# Altium PCB Thermostat_8CH.PCBDOC (part 7 of 10) (continued)
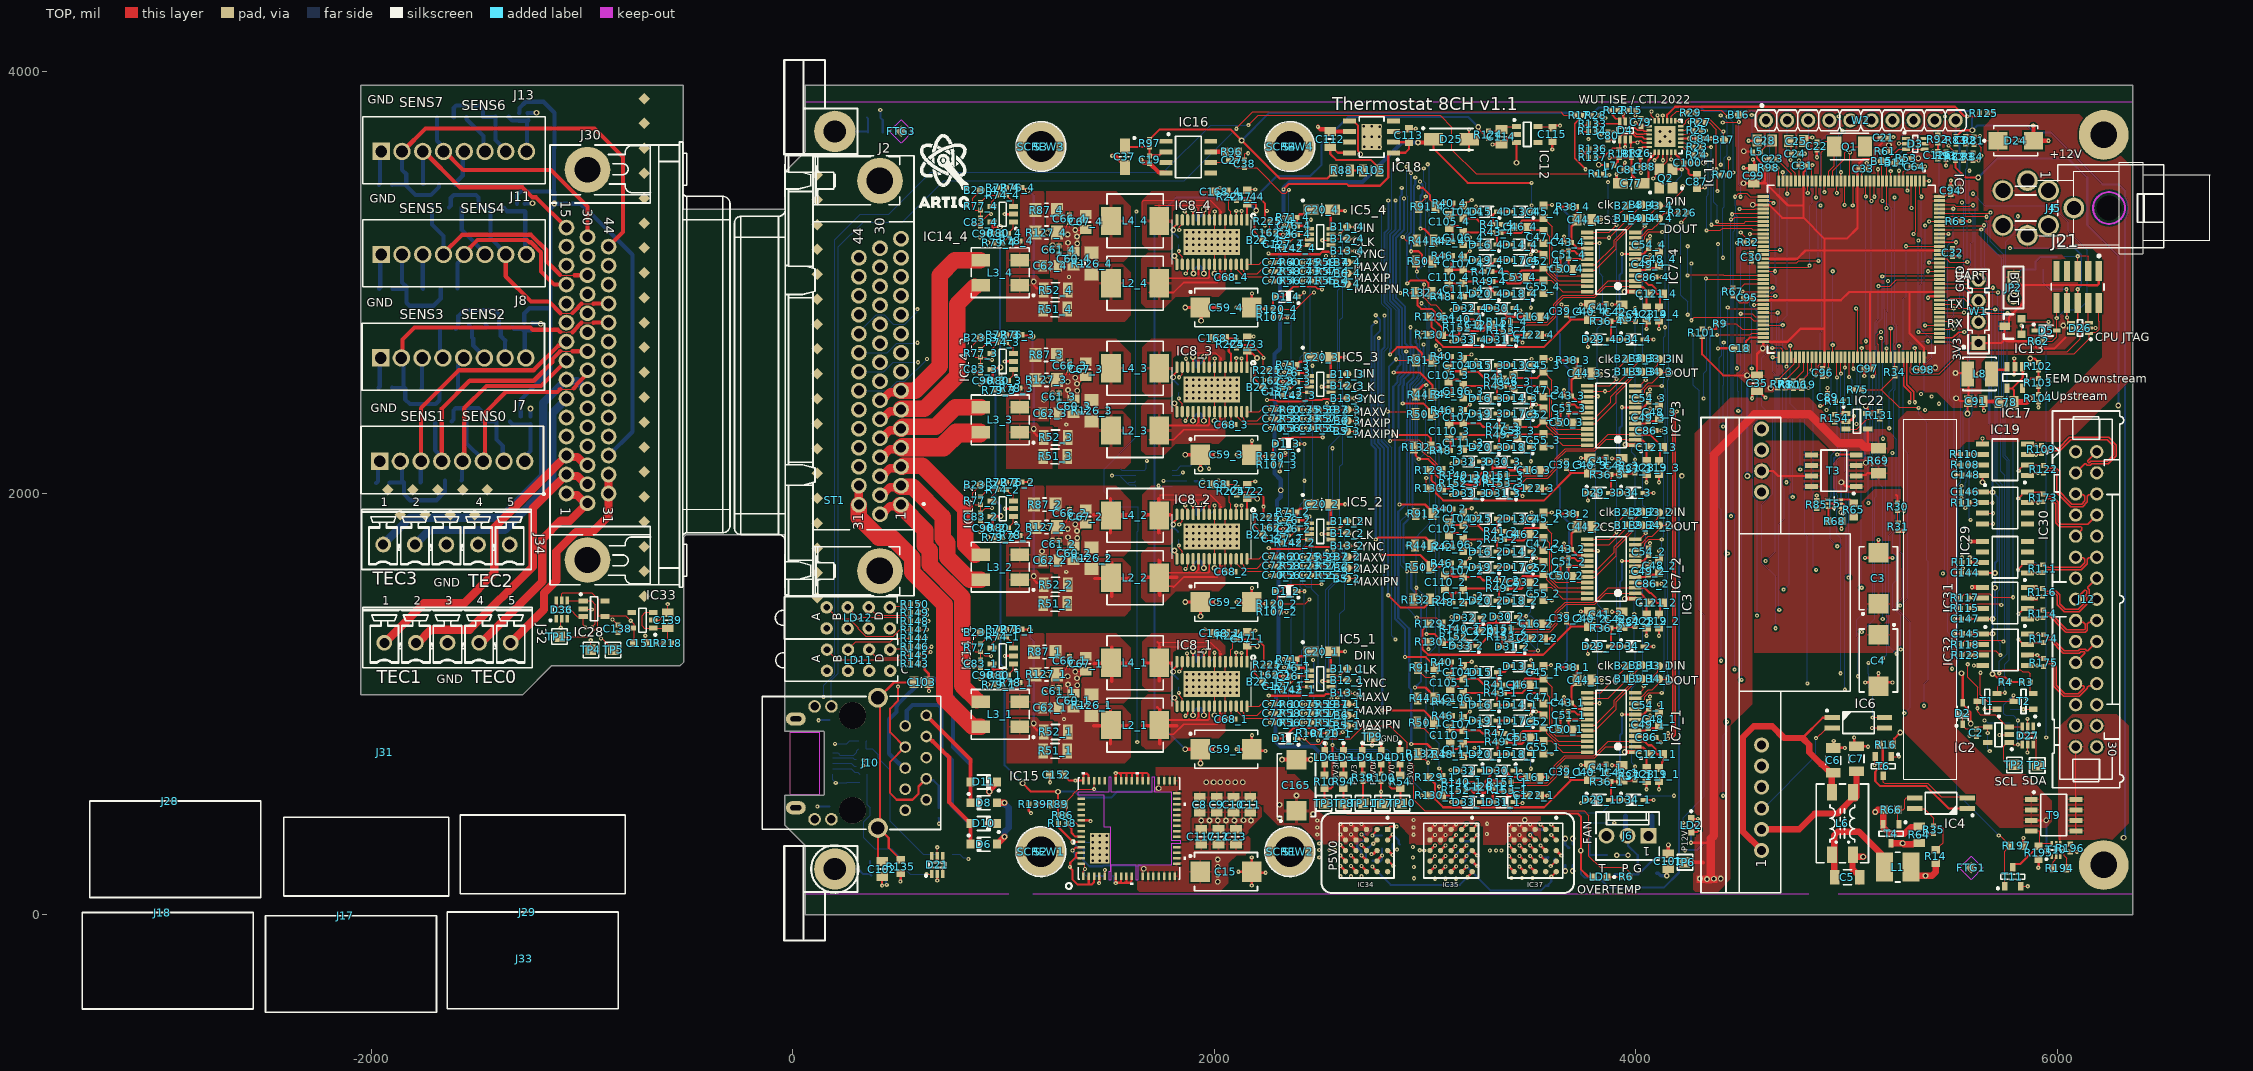
[diagram p0: TOP view]
## Nets (pads, with @x,y where several pads share a name; then routed paths per layer and width w, separated by ;. In a path a pad name is that pad's centre, name@x,y a point inside that pad or via, vN(x,y) a via of type N, cw(c..) or ccw(c..) an arc to the next point about the centre after c; other vN are vias at no path point) (continued)
NetIC34_A1: IC34.A1 IC35.A1 IC37.A1 | length 944.7
  TOP w10: IC34.A1@2822.11,407.07 2824.63,407.07 2829.91,412.35 2829.91,413.09 2835.77,418.95 v1(2864.66,418.95) ; IC35.A1@3223.25,404.71 v1@3244.09,425.66 ; v1@3244.09,425.55 v1@3244.09,425.66 ; v1@3244.09,431.59 v1@3244.09,425.66 ; v1(3247.15,428.74) v1@3244.09,425.66 ; v1(3598.32,428.45) IC37.A1@3622.36,404.55
  L2 w5: v1(2864.66,418.95) 2914.7,469 2954.47,469 2968.08,455.39 3220.5,455.39 v1(3247.15,428.74) 3271.44,453.03 3344.81,453.03 3386.73,411.11 3505.51,411.11 3543.69,449.29 3577.48,449.29 v1(3598.32,428.45)
NetIC34_A4: IC34.A4 R219.2 | length 74
  TOP w10: IC34.A4@2824.63,256.06 v1@2845.59,235.22 ; v1@2845.47,235.22 v1@2845.59,235.22 ; v1(2848.67,232.16) v1@2845.59,235.22 ; v1@2851.51,235.22 v1@2845.59,235.22
  BOT w10: R219.2@2823.82,253.4 2823.82,252.61 2830.24,246.2 2834.63,246.2 v1(2848.67,232.16)
NetIC34_B1: IC34.B1 IC35.B1 IC37.B1 R222.2 | length 1008.1
  TOP w10: v1(2749.68,376.17) 2749.68,377.9 2771.97,400.19 IC34.B1@2771.97,408.45 ; IC35.B1@3173.25,404.71 v1@3194.09,425.66 ; v1@3194.09,425.55 v1@3194.09,425.66 ; v1@3194.09,431.59 v1@3194.09,425.66 ; v1(3197.15,428.74) v1@3194.09,425.66 ; v1(3548.32,428.45) IC37.B1@3572.36,404.55
  L2 w5: v1(2749.68,376.17) 2749.68,376.41 2771.71,398.44 2853.2,398.44 2854.56,397.08 3165.49,397.08 v1(3197.15,428.74) 3214.78,411.11 3327.37,411.11 3339.76,398.72 3518.59,398.72 v1(3548.32,428.45)
  BOT w10: v1(2749.68,376.17) R222.2@2796.01,376.17
NetIC34_B2: IC34.B2 R227.1 R228.2 | length 121
  TOP w10: v1@2755.04,339.11 2755.86,339.11 2770.86,354.11 IC34.B2@2770.86,354.93
  BOT w10: R228.2@2718.95,257.35 2718.95,301.16 2719.18,301.39 2719.18,307.02 2725.6,313.43 R227.1@2726.39,313.43 ; R227.1@2725.78,316.76 2728.87,319.85 2735.78,319.85 v1@2755.04,339.11
  other v1: 2754.06,337.15
NetIC34_C4: IC34.C4 IC34.E4 R227.2 | length 302.1
  TOP w10: v1(2598.08,280.97) IC34.E4@2622.11,257.07 ; v1(2698.08,280.97) IC34.C4@2722.11,257.07
  L2 w10: v1(2598.08,280.97) 2617.92,300.81 2678.24,300.81 v1(2698.08,280.97)
  BOT w11.81: v1(2698.08,280.97) 2698.08,301.62 2677.33,322.37 2677.33,339.56 2689.49,351.71 2721.18,351.71 R227.2@2722.45,350.44
NetIC35_A4: IC35.A4 R221.2 | length 63.4
  TOP w10: IC35.A4@3223.25,254.71 v1@3244.21,233.86
  BOT w10: R221.2@3222.29,250.99 3222.29,250.2 3228.71,243.78 3229.5,243.78 3240.62,232.66 3245.43,232.66 v1(3247.28,230.81)
NetIC35_B2: IC35.B2 R229.1 R230.2 | length 114.8
  TOP w10: IC35.B2@3173.25,354.71 v1@3194.09,375.66
  BOT w10: R229.1@3171.15,346.51 3173.22,348.58 3205.37,348.58 3205.61,348.34 3225.86,348.34 R230.2@3226.96,347.24 ; 3177.42,358.9 3197.15,378.63 v1(3197.15,378.74)
NetIC35_C4: IC35.C4 IC35.E4 R229.2 | length 238.6
  TOP w10: IC35.E4@3023.25,254.71 v1@3044.09,275.66 ; v1@3044.09,275.55 v1@3044.09,275.66 ; v1@3044.09,281.59 v1@3044.09,275.66 ; v1(3047.15,278.74) v1@3044.09,275.66 ; IC35.C4@3123.25,254.71 v1@3144.09,275.66 ; v1@3144.09,275.55 v1@3144.09,275.66 ; v1@3144.09,281.59 v1@3144.09,275.66 ; v1(3147.15,278.74) v1@3144.09,275.66
  L2 w10: v1(3047.15,278.74) 3066.99,298.58 3129.22,298.58 3147.15,280.65 v1(3147.15,278.74)
  BOT w10: v1(3147.15,278.74) 3149,280.59 3149,288.14 3170.36,309.5 R229.2@3171.15,309.5
NetIC37_A4: IC37.A4 R231.2 | length 78.5
  TOP w10: v1(3595.94,230.52) IC37.A4@3619.84,254.55
  BOT w10: v1(3595.94,230.52) 3612.01,246.58 3612.01,261.51 R231.2@3616.96,266.46
NetIC37_C4: IC37.C4 IC37.E4 | length 186.3
  TOP w10: v1(3398.32,278.45) IC37.E4@3422.36,254.55 ; v1(3498.32,278.45) IC37.C4@3522.36,254.55
  L2 w10: v1(3398.32,278.45) 3420.68,300.81 3475.97,300.81 v1(3498.32,278.45)
NetJ6_3: J6.3 R9.2 R101.2 | length 3054.2
  TOP w10: R101.2@4314.87,2779.55 4315.33,2780.01 4347.33,2780.01 v1(4350,2782.68) ; v1@4350,2780.47 4382.5,2780.47 R9.2@4382.5,2805
  L2 w10: J6.3@3860.73,374.68 3920.45,314.96 4074.59,314.96 4084.31,305.24 4232.96,305.24 v1(4233.58,305.86)
  BOT w10: v1(4233.58,305.86) 4234.68,306.95 4290.33,306.95 4351.54,368.16 4351.54,2781.14 v1(4350,2782.68)
NetJ10_L1: J10.L1 R17.2 | length 5970.9
  TOP w5: v1(2104.39,3729.72) 2104.39,3732.84 2181.1,3809.55 3643.27,3809.55 3658.58,3794.24 R17.2@3713.55,3794.24
  BOT w5: J10.L1@182.65,988.58 188.98,994.91 182.65,1001.24 182.65,1112.47 215.95,1145.77 215.95,3169.69 333.66,3287.4 518.7,3287.4 714.65,3483.35 1858.02,3483.35 v1(2104.39,3729.72)
NetJ10_L3: J10.L3 R11.2 | length 6819.9
  TOP w5: v1(2161.34,3747.06) 2207.74,3793.46 3071.61,3793.46 3127.48,3737.59 3127.48,3630.28 3242.01,3515.75 R11.2@3808.27,3515.75
  L2 w5: v1(145.67,1033.46) 145.23,1033.02 145.23,914.73 182.65,877.31 J10.L3@182.65,453.15
  BOT w5: v1(145.67,1033.46) 145.67,1089.64 198.41,1142.38 198.41,3203.34 319.68,3324.6 454.52,3324.6 653.54,3523.62 1758.52,3523.62 1981.96,3747.06 v1(2161.34,3747.06)
NetLD1_1: LD1.1 R6.1 | length 72.4
  TOP w5: LD1.1@3862.91,179.27 R6.1@3935.28,179.27
NetLD2_2: LD2.2 R90.1 | length 89.3
  TOP w10: LD2.2@4262.67,391.84 4290.33,391.84 4302.57,404.08 v1(4302.49,404.08)
  BOT w10: R90.1@4262.8,415.16 4291.42,415.16 v1(4302.49,404.08)
NetLD3_2: LD3.2 R94.2 | length 52.2
  TOP w10: R94.2@2612.2,662.85 2612.5,663.15 LD3.2@2612.5,714.91
NetLD4_2: LD4.2 R100.2 | length 45.8
  TOP w10: LD4.2@2791.3,714.91 2791.3,669.29 R100.2@2791.44,669.15
NetLD6_2: LD6.2 R10.2 | length 52.2
  TOP w10: R10.2@2522.8,662.85 2523.1,663.15 LD6.2@2523.1,714.91
NetLD9_2: LD9.2 R39.2 | length 47.1
  TOP w10: LD9.2@2701.9,714.91 2701.9,672.34 R39.2@2705.08,669.15
NetLD10_2: LD10.2 R54.2 | length 52.7
  TOP w10: LD10.2@2880.7,714.91 2880.7,664.48 R54.2@2882.32,662.85
NetLD11_2: LD11.2 R143.2 | length 425.5
  TOP w5: LD11.2@161.39,1257.72 208.41,1210.69 539.33,1210.69 549.14,1200.88 549.93,1200.88 558.85,1191.97 R143.2@558.85,1191.18
NetLD11_4: LD11.4 R144.2 | length 320.1
  TOP w5: LD11.4@261.39,1257.72 298.41,1294.75 462.38,1294.75 480.1,1312.47 R144.2@558.85,1312.47
NetLD11_6: LD11.6 R145.2 | length 217.3
  TOP w5: LD11.6@361.39,1257.72 398.41,1220.69 497.13,1220.69 508.04,1231.61 R145.2@558.85,1231.61
NetLD11_8: LD11.8 R146.2 | length 103.1
  TOP w5: LD11.8@461.39,1257.72 466,1262.34 549.93,1262.34 R146.2@558.85,1271.25
NetLD12_2: LD12.2 R147.2 | length 471.5
  TOP w5: LD12.2@159.84,1458.72 213.83,1404.73 266.2,1404.73 309.84,1361.09 309.84,1356.36 344.51,1321.69 475.18,1321.69 506.39,1352.9 R147.2@558.85,1352.9
NetLD12_4: LD12.4 R148.2 | length 326.5
  TOP w5: LD12.4@259.84,1458.72 306.87,1411.69 540.48,1411.69 549.14,1403.04 549.93,1403.04 558.85,1394.12 R148.2@558.85,1393.33
NetLD12_6: LD12.6 R149.2 | length 219.8
  TOP w5: LD12.6@359.84,1458.72 396.87,1421.69 547.56,1421.69 558.85,1432.98 R149.2@558.85,1433.76
NetLD12_8: LD12.8 R150.2 | length 118.5
  TOP w5: LD12.8@459.84,1458.72 465.61,1464.49 531.5,1464.49 ; 531.5,1464.57 549.93,1464.57 R150.2@558.85,1473.48 ; R150.2@549.93,1464.49 558.85,1473.41 R150.2@558.85,1473.48 ; R150.2@558.85,1474.19 R150.2@558.85,1473.48
NetR1_1: R1.1 T1.1 | length 108
  TOP w5: v1(5655.01,975) T1.1@5713.58,975
  BOT w5: v1(5655.01,975) R1.1@5704.47,975
NetR2_1: R2.1 T2.1 | length 109
  TOP w5: v1(5839.31,975) T2.1@5885.32,975
  BOT w5: R2.1@5776.32,975 v1(5839.31,975)
NetR13_1: R13.1 T7.1 T8.3 | length 290.5
  BOT w10: T8.3@3899.32,192.2 4012.07,192.2 4032.41,212.55 4032.78,212.55 4038.64,218.41 4038.64,218.77 4091.63,271.76 4129.47,271.76 4141.16,260.07 4141.16,259.28 4147.58,252.86 R13.1@4148.36,252.86
NetR65_1: R65.1 T5.2 | length 94.6
  TOP w10: T5.2@4972.06,1950.79 4972.97,1949.88 4984.55,1949.88 5019.38,1915.05 5019.38,1902.49 5032.1,1889.77 R65.1@5034.07,1889.77
NetR65_2: R65.2 R85.2 T5.3 T5.5 | length 200
  TOP w10: R85.2@4858.87,1928.27 4859.66,1928.27 4882.17,1950.79 T5.5@4909.86,1950.79 4936.08,1950.79 4954.86,1969.57 4971.15,1969.57 T5.3@4972.06,1970.47 5014.39,1970.47 5032.1,1952.76 R65.2@5034.07,1952.76
NetR68_2: R68.2 T3.4 T5.6 | length 435.3
  TOP w10: T5.6@4909.86,1931.1 T5.6@4913.58,1931.1 ; R68.2@4914.48,1879.26 4914.48,1930.2 T5.6@4913.58,1931.1 ; v1(4940.94,1929.68) 4939.54,1929.68 4938.12,1931.1 T5.6@4913.58,1931.1 ; v1(4956.19,2184.27) 4957.16,2183.3 5044.91,2183.3 T3.4@5045.88,2182.33
  BOT w10: v1(4940.94,1929.68) 4940.94,2166.4 4956.19,2181.65 v1(4956.19,2184.27)
NetR88_2: R88.2 R105.1 | length 61.3
  TOP w10: R88.2@2643.37,3532 R105.1@2704.63,3532
NetR89_1: R89.1 R139.2 | length 54.6
  TOP w10: 1169.69,524.41 R89.1@1224.33,524.41
NetR103_1: R103.1 R104.2 | length 36.6
  TOP w10: R104.2@5910.44,2470.52 R103.1@5910.44,2507.13
NetR194_1: R194.1 T10.2 | length 61.9
  TOP w5: R194.1@5981.09,219.97 5981.09,251.53 5990.65,261.09 5990.65,273.06 T10.2@5994.05,276.46
NetR194_2: R194.2 R196.2 T10.3 T10.5 | length 231.4
  TOP w5: T10.5@5994.05,338.67 5994.05,313.54 5999.63,307.96 6016.74,307.96 ; T10.3@6013.74,276.46 6013.74,304.96 6016.74,307.96 ; R194.2@6044.08,219.97 6044.08,269.21 6033.85,279.44 6033.85,307.96 ; R196.2@6061.8,335.13 6061.01,335.13 6033.85,307.96 ; 6016.74,307.96 6033.85,307.96
NetR195_2: R195.2 T9.4 T10.6 T11.3 | length 332.6
  TOP w5: T9.4@5876.76,397.92 5914.79,397.92 5917.72,394.99 5917.72,331.98 5924.41,338.67 T10.6@5974.37,338.67
  TOP w10: T11.3@5788.86,225.87 5788.86,233.74 5796.65,241.54 5825.31,241.54 5909.06,325.28 R195.2@5911.02,325.28
NRST: IC9.129 IC11.15 R125.2 | length 2389.5
  TOP w5: IC9.129@5441.06,3112.93 5475.13,3112.93 5490.58,3097.48 v1(5572.86,3097.48)
  TOP w10: IC11.15@4148.41,3767.72 4148.41,3796.3 4186.46,3834.34 5515.14,3834.34 5559.28,3790.2 5571.31,3790.2 v1(5572.86,3788.65) 5617.28,3788.65 5632.23,3803.6 R125.2@5632.23,3804.39
  BOT w5: v1(5572.86,3097.48) 5572.86,3277.92 5565.52,3285.26 5565.52,3537.7 5572.86,3545.04 v1(5572.86,3788.65)
OVERTHERMn: D1_1.1 D1_2.1 D1_3.1 D1_4.1 IC1.3 IC9.127 R5.2 R6.2 | length 8669.2
  TOP w5: D1_2.1@2390.75,1535.19 v1(2426.92,1535.19) ; D1_3.1@2390.75,2234.01 v1(2426.92,2234.01) ; D1_4.1@2390.75,2932.83 2398.09,2940.17 2411.17,2940.17 2424,2953 v1(2426,2953) ; D1_1.1@2398.62,836.37 v1(2426.92,836.37) 2453.86,809.43 2499.31,809.43 2509.47,819.59 2509.47,821.92 2522.56,835.02 2646.65,835.02 2709.63,898 2831.56,898 2914.37,815.19 2914.37,737.48 2944.96,706.9 2944.96,546.43 2998.33,493.05 3754.42,493.05 3777.42,470.04 3777.42,278.29 3830.2,225.51 3948.15,225.51 3972.29,201.37 R6.2@3972.29,179.27 ; IC9.127@5441.06,3073.56 5442.9,3071.72 5535.93,3071.72 v1(5537.78,3069.88)
  L2 w5: v1(1758.86,2059.06) 1772.37,2072.56 1773.83,2074.03 1940.56,2076.63 1942.58,2076.66 1943.91,2077.99 2408.21,2077.99 v1(2426.92,2059.28) ; v1(2426,2953) 2458.21,2985.21 2582.97,2985.21 2592.3,2975.87 2717.06,2975.87 2719.1,2977.91 2983.31,2977.91 3028.4,2932.83 3970.19,2932.83 3992.2,2910.81 5535.64,2910.81 v1(5537.78,2908.68)
  BOT w5: v1(1758.86,2059.06) IC1.3@1801.18,2059.06 R5.2@1869.29,2059.06 ; v1(2426,2953) 2426,2663.03 2408.22,2645.25 2408.22,2252.7 v1(2426.92,2234.01) v1(2426.92,2059.28) 2426.92,1965.13 2408.22,1946.43 2408.22,1555.02 2426.92,1536.32 v1(2426.92,1535.19) 2426.92,1266.31 2415.22,1254.61 2415.22,849.2 2426.92,837.5 v1(2426.92,836.37) ; v1(5537.78,2908.68) v1(5537.78,3069.88)
P3V0REF: C26_1.1 C26_2.1 C26_3.1 C26_4.1 C27.2 C38.1 IC5_1.2 IC5_2.2 IC5_3.2 IC5_4.2 IC16.6 R54.1 R70.2 TP10.1 | length 6356.4
  TOP w5: IC16.6@1982.72,3570.6 2057.8,3570.6 C27.2@2066.93,3579.72 ; C27.2@2068,3575 2071.65,3575 2101.37,3545.28 C38.1@2143,3545.28 2200.09,3545.28 2320.57,3424.8 2338.35,3424.8 v1(2353.35,3439.8) ; v1(2353.35,1101.38) 2364.17,1101.38 C26_1.1@2394.68,1131.89 ; v1(2353.35,1800.2) 2364.17,1800.2 C26_2.1@2394.68,1830.71 ; v1(2353.35,2499.02) 2364.17,2499.02 C26_3.1@2394.68,2529.53 ; v1(2353.35,3197.83) 2364.17,3197.83 C26_4.1@2394.68,3228.35 ; C26_1.1@2397.44,1133.07 IC5_1.2@2450.79,1133.07 ; C26_2.1@2397.44,1831.89 IC5_2.2@2450.79,1831.89 ; C26_3.1@2397.44,2530.71 IC5_3.2@2450.79,2530.71 ; C26_4.1@2397.44,3229.53 IC5_4.2@2450.79,3229.53 ; v1(4387,3434) 4387,3500.96 R70.2@4396.87,3510.83
  TOP w10: v1(2830.24,733.22) 2830.24,610.41 2840.79,599.86 R54.1@2882.32,599.86 2882.32,537.24 TP10.1@2890.21,529.35
  L2 w5: v1(2353.35,3439.8) 2854.41,3439.8 2861.97,3432.25 4385.25,3432.25 v1(4387,3434)
  BOT w5: v1(2353.35,3439.8) v1(2353.35,3197.83) 2353.35,3015.77 2363.8,3005.31 2363.8,2513.09 2353.35,2502.63 v1(2353.35,2499.02) 2353.35,1618.13 2363.8,1607.67 2363.8,1115.45 2353.35,1104.99 v1(2353.35,1101.38) 2353.35,881.65 2418.22,816.77 2477.6,816.77 2484.94,809.43 2500.67,809.43 2534.53,775.57 2787.89,775.57 v1(2830.24,733.22)
P3V3: C29.1 C30.1 C31.1 C32.1 C33.1 C35.1 C84.2 C91.1 C94.1 C95.1 C96.1 C97.1 C98.1 C99.1 C144.2 C145.2 C146.2 C147.2 C148.2 D2.2 D3.5 D26.5 D28.1 IC9.17 IC9.30 IC9.39 IC9.52 IC9.62 IC9.72 IC9.84 IC9.95 IC9.108 IC9.121 IC9.131 IC9.143 IC9.144 IC11.9 IC12.3 IC13.3 IC18.5 IC19.8 IC23.1 IC29.8 IC30.1 IC31.8 IC32.1 IC36.1 IC39.8 IC40.1 IC41.8 J21.1 JP2.1 L5.2 L7.2 L8.2 LD1.2 R3.2 R4.2 R5.1 R7.2 R16.2 R20.1 R21.1 R22.1 R33.2 R53.2 R61.2 R62.1 R67.2 R92.2 R94.1 R98.1 R99.1 R101.1 R102.2 R121.2 TP8.1 W1.1 W2.10 | length 22452.3
  TOP w10: R94.1@2612.2,599.86 2612.2,530.36 TP8.1@2613.21,529.35 2617.04,525.52 2617.04,495.21 2631.71,480.55 3724.39,480.55 3738.89,466.05 v5(3738.89,304.55) 3738.89,215.88 3773.06,181.71 3795.5,181.71 LD1.2@3797.95,179.27 ; IC18.5@2641.73,3765.94 2660.43,3765.94 2682.24,3744.13 2682.24,3623.51 2692,3613.75 v2(2692,3609) ; v2(3433.3,3568.89) IC12.3@3433.3,3665.68 ; v2(3824.25,3559.43) 3826.41,3557.27 3858.89,3557.27 L7.2@3861.05,3555.12 ; IC11.9@4213.37,3683.07 v2(4256.99,3683.07) C84.2@4290.93,3683.07 ; R101.1@4314.87,2742.54 4314.87,2659.32 4414.69,2559.5 v2(4528.24,2559.5) 4572.68,2559.5 C35.1@4575.09,2557.09 4575.09,2660.69 v2(4602.14,2687.74) 4604.44,2690.04 IC9.72@4604.44,2719.23 4719.94,2719.23 4781.45,2780.75 4894.8,2780.75 ; R67.2@4460.37,2936.95 4461.15,2936.95 4493.49,2904.61 4527.44,2904.61 4533.3,2910.47 4533.3,2913.59 C95.1@4546.53,2926.81 4557.26,2916.08 IC9.62@4604.44,2916.08 4894.8,2916.08 ; v2(4511.35,3471.2) C99.1@4560.15,3471.2 4600.91,3471.2 ; v2(4512.04,3623.22) 4513.59,3621.67 4553.28,3621.67 L5.2@4554.83,3620.12 ; C30.1@4549.32,3103.09 4559.17,3112.93 IC9.52@4604.44,3112.93 4766.04,3112.93 4805.41,3152.3 4894.8,3152.3 ; L5.2@4554.83,3623.22 4554.83,3619.72 4569.24,3605.31 4569.24,3603.77 4575.07,3597.94 4575.07,3589.52 4597.71,3566.88 4597.71,3561.09 R98.1@4613.26,3545.54 ; v2(4555.23,3368.84) IC9.39@4604.44,3368.84 4606.33,3366.95 4634.69,3366.95 4694.83,3306.82 4796.37,3306.82 ; R98.1@4613.26,3544.75 R98.1@4613.26,3545.54 ; v2(4639.76,2499.02) 4640.35,2498.43 R7.2@4673.23,2498.43 ; C31.1@4810.15,3555.12 4802.95,3547.91 4802.95,3530.18 4796.37,3523.6 4796.37,3365.72 ; C96.1@4886.24,2590.89 4894.8,2599.44 4894.8,2780.75 ; C33.1@5052.28,3539.83 IC9.17@5052.28,3482.03 5052.28,3258.94 5001.73,3208.39 4894.8,3208.39 ; C33.1@5060.44,3539.83 5060.44,3567.03 5080.36,3586.95 5124.03,3586.95 5133.69,3596.6 5133.69,3628.93 5168.75,3664 5169.76,3664 ; C97.1@5119.21,2591.28 5113.22,2597.26 5113.22,2643.52 IC9.95@5111.33,2645.41 5111.33,2953.56 5113.22,2955.45 ; v2(5200.92,3651.76) 5200.92,3629.8 R61.2@5202.12,3623.39 ; R16.2@5205.14,792.49 5217.86,805.2 R16.2@5217.86,807.17 5226.5,815.82 5226.5,836 v2(5255.13,864.63) ; R53.2@5302.66,3589.57 v2(5340.68,3589.57) ; v2(5327.87,3658.46) D3.5@5369.09,3658.46 5371.97,3661.34 5394.02,3661.34 ; v2(5420.77,2596.46) 5416.31,2596.46 5406.8,2586.94 C98.1@5384.95,2586.94 5377.75,2594.15 5377.75,2597.26 5367.24,2607.78 IC9.108@5367.24,2645.41 5367.24,2691.34 5298.72,2759.86 5298.72,2955.45 ; R92.2@5432.28,3699.61 R92.2@5433.07,3699.61 R92.2@5433.86,3699.61 ; IC9.121@5441.06,2955.45 5298.72,2955.45 ; IC9.144@5441.06,3408.21 5462.71,3408.21 5472.55,3418.05 C94.1@5494.21,3418.05 5526.37,3418.05 5535.93,3427.61 v2(5535.93,3451.34) ; C32.1@5503.06,3160.18 5495.19,3152.3 IC9.131@5441.06,3152.3 4894.8,3152.3 ; v2(5517,2571) 5559.9,2571 5565.51,2576.61 L8.2@5575.22,2566.9 ; v2(5520,2451) 5525.77,2451 5539.28,2437.49 C91.1@5578.04,2437.49 ; v2(5545.74,1146) 5551.18,1140.56 D2.2@5551.18,1006.5 5551.18,998.62 5589,960.8 v2(5589,907) ; v2(5574.39,2378.03) 5574.39,2433.85 C91.1@5578.04,2437.49 ; C147.2@5581.17,1403.79 IC31.8@5645.41,1403.79 v2(5693,1403.79) ; C144.2@5581.17,1621.79 IC29.8@5645.41,1621.79 v2(5704.47,1621.79) ; C146.2@5581.17,2006.6 5581.78,2005.99 5644.8,2005.99 IC30.1@5645.41,2005.38 ; C148.2@5583.14,2087.61 5584.8,2085.95 5643.76,2085.95 IC19.8@5645.42,2084.29 5645.42,2052.74 v2(5644.8,2052.12) ; C145.2@5584.46,1333.65 v2(5693,1333.65) ; W1.1@5625.98,2713.39 5733.85,2713.39 5750.26,2729.79 ; v2(5628.66,2566.9) L8.2@5575.22,2566.9 ; IC30.1@5645.41,2005.38 v2(5693,2005.37) ; v2(5693,1142) 5697.75,1142 5713.61,1126.14 5752.54,1126.14 5773.96,1104.73 R4.2@5773.96,1103.94 ; R4.2@5775.98,1105.96 R4.2@5773.96,1103.94 ; JP2.1@5792.58,3026.02 5839.32,2979.28 ; R3.2@5835.32,1103.94 R4.2@5773.96,1103.94 ; v2(5872.2,2639.58) 5891.68,2639.58 R102.2@5910.44,2620.82 ; 6039.49,2739.67 5987.56,2687.74 5905.5,2687.74 5899.14,2694.09 5899.14,2715.33 R62.1@5893.17,2721.3 5758.75,2721.3 5750.26,2729.79 ; J21.1@6196.85,3051.18 6196.85,2992.94 6190.99,2987.08 6140.27,2987.08 6139.5,2987.84 5847.87,2987.84 5839.32,2979.28 ; 4600.91,3471.2 4616.93,3471.2 4722.42,3365.72 4796.37,3365.72 ; 4600.91,3471.2 4613.26,3483.55 R98.1@4613.26,3545.54 ; 4796.37,3306.82 4796.37,3365.72 ; 4796.37,3306.82 4894.8,3208.39 ; 4894.8,2780.75 4894.8,2916.08 ; 4894.8,2916.08 4894.8,3152.3 ; 4894.8,2916.08 4972.63,2916.08 5012,2955.45 5113.22,2955.45 ; 4894.8,3152.3 4894.8,3208.39 ; 5113.22,2955.45 5298.72,2955.45 ; L8.2@5575.22,2566.9 5578.04,2564.09 C91.1@5578.04,2437.49 ; 5750.26,2729.79 IC13.3@5750.26,2792.16 5757.26,2792.16 5770.26,2805.16 5770.26,2834 5839.32,2903.07 5839.32,2979.28
  L2 w10: v2(1942.91,2055.39) 1946.53,2055.39 1965.07,2036.84 2230.1,2036.84 2234.03,2040.78 2417.35,2040.78 2426.59,2031.54 2702.25,2031.54 2703.75,2030.04 2705.24,2031.54 3561.8,2031.54 3609.89,2079.63 4162.59,2079.63 4165.25,2082.29 v5(4218.55,2082.29) 4221.21,2079.63 4526.72,2079.63 v2(4529.42,2082.33) ; v2(2692,3609) 3393.2,3609 v2(3433.3,3568.89) 3810.03,3568.89 3819.5,3559.43 v2(3824.25,3559.43) ; v2(4322.82,3568.89) 4325.15,3568.89 4383.05,3626.8 4385.98,3629.72 4394.26,3629.72 4512.05,3623.39 v2(4512.04,3623.22) ; v2(4528.24,2559.5) 4579.28,2559.5 v2(4639.76,2499.02) ; v2(5200.92,3651.76) 5204.54,3651.76 5223.08,3670.3 5231.2,3670.3 5258.91,3698.01 5288.33,3698.01 v2(5327.87,3658.46) ; v2(5255.13,864.63) 5546.63,864.63 v2(5589,907) ; v2(5420.77,2596.46) 5490.69,2596.46 5516.14,2571 v2(5517,2571) ; v2(5545.74,1146) 5550.49,1146 5567.71,1128.78 5675.03,1128.78 5688.25,1142 v2(5693,1142) ; v2(5628.66,2566.9) 5751.12,2566.9 5823.8,2639.58 v2(5872.2,2639.58) 5970.58,2639.58 6039.49,2708.49 6039.49,2784.74 ; v2(5644.8,2052.12) 5645.53,2052.12 5692.28,2005.37 v2(5693,2005.37)
  BOT w10: R5.1@1906.3,2059.06 1908.13,2057.22 1941.08,2057.22 v2(1942.91,2055.39) ; R121.2@3738.89,334.71 v5(3738.89,304.55) 3738.89,194.32 3756.75,176.46 D28.1@3779.74,176.46 3825.37,176.46 3873,128.82 4132.97,128.82 4204.72,200.57 4204.72,2068.44 v5(4218.55,2082.29) ; v2(4256.99,3683.07) 4292.67,3683.07 ; R99.1@4282.07,3805.21 4282.07,3804.43 4288.49,3798.01 4289.66,3798.01 4326.17,3761.5 4326.17,3759.92 4305.61,3739.36 4305.61,3696.02 4292.67,3683.07 ; v2(4322.82,3568.89) 4313.61,3578.11 4313.61,3599.38 R21.1@4307.67,3605.32 4307.67,3643.7 4307.67,3668.07 4292.67,3683.07 ; v2(4528.24,2559.5) 4528.83,2558.91 4528.83,2084.1 4528.24,2083.51 v2(4529.42,2082.33) ; v2(5327.87,3658.46) 5327.87,3607.13 5340.68,3594.32 v2(5340.68,3589.57) ; W2.10@5518.1,3769.91 5518.1,3672.75 5535.93,3654.91 v2(5535.93,3451.34) ; v2(5628.66,2566.9) 5676.95,2518.61 5676.95,2331.6 5693,2315.55 v2(5693,2005.37) ; v2(5644.8,2052.12) 5644.8,2083.67 IC23.1@5645.42,2084.29 ; IC40.1@5645.41,1403.79 v2(5693,1403.79) 5693,1408.54 5704.47,1420.01 v2(5704.47,1551.51) v2(5704.47,1621.79) ; IC36.1@5645.41,1621.79 v2(5704.47,1621.79) ; IC39.8@5645.42,2005.37 v2(5693,2005.37) ; IC41.8@5646.65,1331.89 5691.24,1331.89 v2(5693,1333.65) ; v2(5693,1142) v2(5693,1333.65) ; v2@5693,1403.16 v2(5693,1333.65) ; JP2.1@5792.58,3026.02 5829.39,3062.83 R33.2@5896.12,3062.83 5896.12,3097.48 5920.58,3121.94 C29.1@5997.75,3121.94 ; v2(5693,2005.37) 5715.54,1982.83 5715.54,1680.04 5704.47,1668.97 v2(5704.47,1621.79)
  other v2: 6027.91,2796.26
P3V3_AFE: C138.2 C151.2 D36.5 IC28.4 IC33.5 TP15.1 | length 903.7
  TOP w5: TP15.1@-1107.13,1319.88 -1106.13,1318.88 -974.11,1318.88 -927.08,1365.91 -927.08,1413.61 -922.5,1418.19 ; D36.5@-1097.28,1491.14 -1097.28,1522.66 -1093.06,1526.89 -954.42,1526.89 -922.5,1494.96 -922.5,1418.19 ; C138.2@-830.55,1339.57 -809.88,1360.24 IC33.5@-765.59,1360.24 ; C151.2@-753.78,1289.37 -753.78,1360.24 -753.78,1378.78 v1(-770,1395) -793.72,1418.72 -888.21,1418.72 IC28.4@-892.56,1414.37 -896.38,1418.19 -922.5,1418.19
P3V3_MP: C1.2 C2.2 D2.1 D27.5 IC1.8 IC2.4 J12.30 R10.1 TP3.1 | length 7315.1
  TOP w5: v1(5540,962) 5540,959.84 5551.18,948.66 D2.1@5551.18,904.13 5551.18,896.26 5565.86,881.58 C2.2@5615.89,881.58 5626.12,891.82 IC2.4@5670.02,891.82 v1(5670.02,862.29) ; v1(5858.01,770.04) 5859.72,771.76 D27.5@5859.72,807.17
  TOP w10: TP3.1@2520.87,529.35 2522.8,531.28 R10.1@2522.8,599.86 2552.95,599.86 2560.8,607.71 v1(2560.8,804.88)
  L2 w5: v1(1679.58,2153.83) 1913.61,2153.83 1973.73,2213.95 v1(2560.8,2213.95) ; v1(4181.1,564.84) v1(4414.14,564.84) ; v1(4433,915.09) 4491.91,974 5528,974 v1(5540,962) ; v1(5679.29,776.41) 5847.67,776.41 5854.04,770.04 v1(5858.01,770.04) 5870.28,757.79 6148.18,757.79 J12.30@6187.18,796.79
  BOT w5: C1.2@1553.25,2117.13 1560.14,2110.24 IC1.8@1627.95,2110.24 1669.87,2110.24 1677.79,2118.15 1677.79,2152.04 v1(1679.58,2153.83) ; v1(2560.8,2213.95) 2560.8,1780.54 2608.05,1733.3 2608.05,1605.83 2543.68,1541.46 2543.68,1160.82 2580.87,1123.64 2580.87,1070.04 2618.05,1032.85 2618.05,902.65 2560.8,845.4 v1(2560.8,804.88) 2580.11,785.57 2820.17,785.57 2862.82,742.92 2862.82,710.85 2990.16,583.51 2991.51,583.51 2996.02,579 3002.54,579 3023.34,558.2 3341.4,558.2 3416.81,482.8 3837.47,482.8 3919.51,564.84 v1(4181.1,564.84) ; v1(4414.14,564.84) 4414.14,852.87 4433,871.72 v1(4433,915.09) ; v1(5670.02,862.29) 5670.02,786.68 5679.29,777.41 v1(5679.29,776.41)
P3V3DVDD_1: C43_1.1 C44_1.1 IC7_1.16 R38_1.1 | length 262.5
  TOP w10: R38_1.1@3716.33,1169.25 3717.49,1169.25 3719.39,1167.35 3719.39,1114.63 C44_1.1@3720.57,1113.45 3720.57,1106.56 3694.98,1080.97 C43_1.1@3694.98,1005.47 3716.33,984.12 3716.33,983.98 3724,976.31 IC7_1.16@3768.53,976.31
P3V3DVDD_2: C43_2.1 C44_2.1 IC7_2.16 R38_2.1 | length 262.5
  TOP w10: R38_2.1@3716.33,1897.6 3717.49,1897.6 3719.39,1895.7 3719.39,1842.97 C44_2.1@3720.57,1841.79 3720.57,1834.9 3694.98,1809.31 C43_2.1@3694.98,1733.82 3716.33,1712.47 3716.33,1712.33 3724,1704.66 IC7_2.16@3768.53,1704.66
P3V3DVDD_3: C43_3.1 C44_3.1 IC7_3.16 R38_3.1 | length 262.5
  TOP w10: R38_3.1@3716.33,2625.94 3717.49,2625.94 3719.39,2624.04 3719.39,2571.32 C44_3.1@3720.57,2570.14 3720.57,2563.25 3694.98,2537.66 C43_3.1@3694.98,2462.16 3716.33,2440.82 3716.33,2440.67 3724,2433 IC7_3.16@3768.53,2433
P3V3DVDD_4: C43_4.1 C44_4.1 IC7_4.16 R38_4.1 | length 262.5
  TOP w10: R38_4.1@3716.33,3354.29 3717.49,3354.29 3719.39,3352.39 3719.39,3299.67 C44_4.1@3720.57,3298.49 3720.57,3291.6 3694.98,3266.01 C43_4.1@3694.98,3190.51 3716.33,3169.16 3716.33,3169.02 3724,3161.35 IC7_4.16@3768.53,3161.35
P3V3IO: C115.2 IC12.5 R38_1.2 R38_2.2 R38_3.2 R38_4.2 | length 2595.9
  TOP w5: IC12.5@3535.67,3740.49 3598.52,3740.49 C115.2@3604.43,3734.58
  TOP w10: C115.2@3604.43,3734.58 3614.6,3744.76 3640.1,3744.76 v1(3640.14,3744.72) ; v1(3640.14,1174.56) R38_1.2@3682.38,1174.56 ; v1(3640.14,1902.9) R38_2.2@3682.38,1902.9 ; v1(3640.14,2631.25) R38_3.2@3682.38,2631.25 ; v1(3640.14,3359.6) R38_4.2@3682.38,3359.6
  BOT w10: v1(3640.14,1174.56) 3674,1208.42 3674,1724 3683,1733 3683,1860.04 v1(3640.14,1902.9) 3640.14,2026.45 3625.53,2041.06 3625.53,2320.53 3683,2378 3683,2588.39 v1(3640.14,2631.25) 3640.14,2754.79 3625.53,2769.4 3625.53,3053.21 3683,3110.68 3683,3316.73 v1(3640.14,3359.6)